# Altium PCB PLC1.PcbDoc (part 3 of 4)
Units mm, origin at the board's own origin, x right, y up, seen from the top; angles counter-clockwise.
Board outline 175 x 81 mm, 2 copper layers (Top Layer, Bottom Layer), stack 1.471 mm thick; 347 components, 299 nets, 1265 pads, 687 vias.
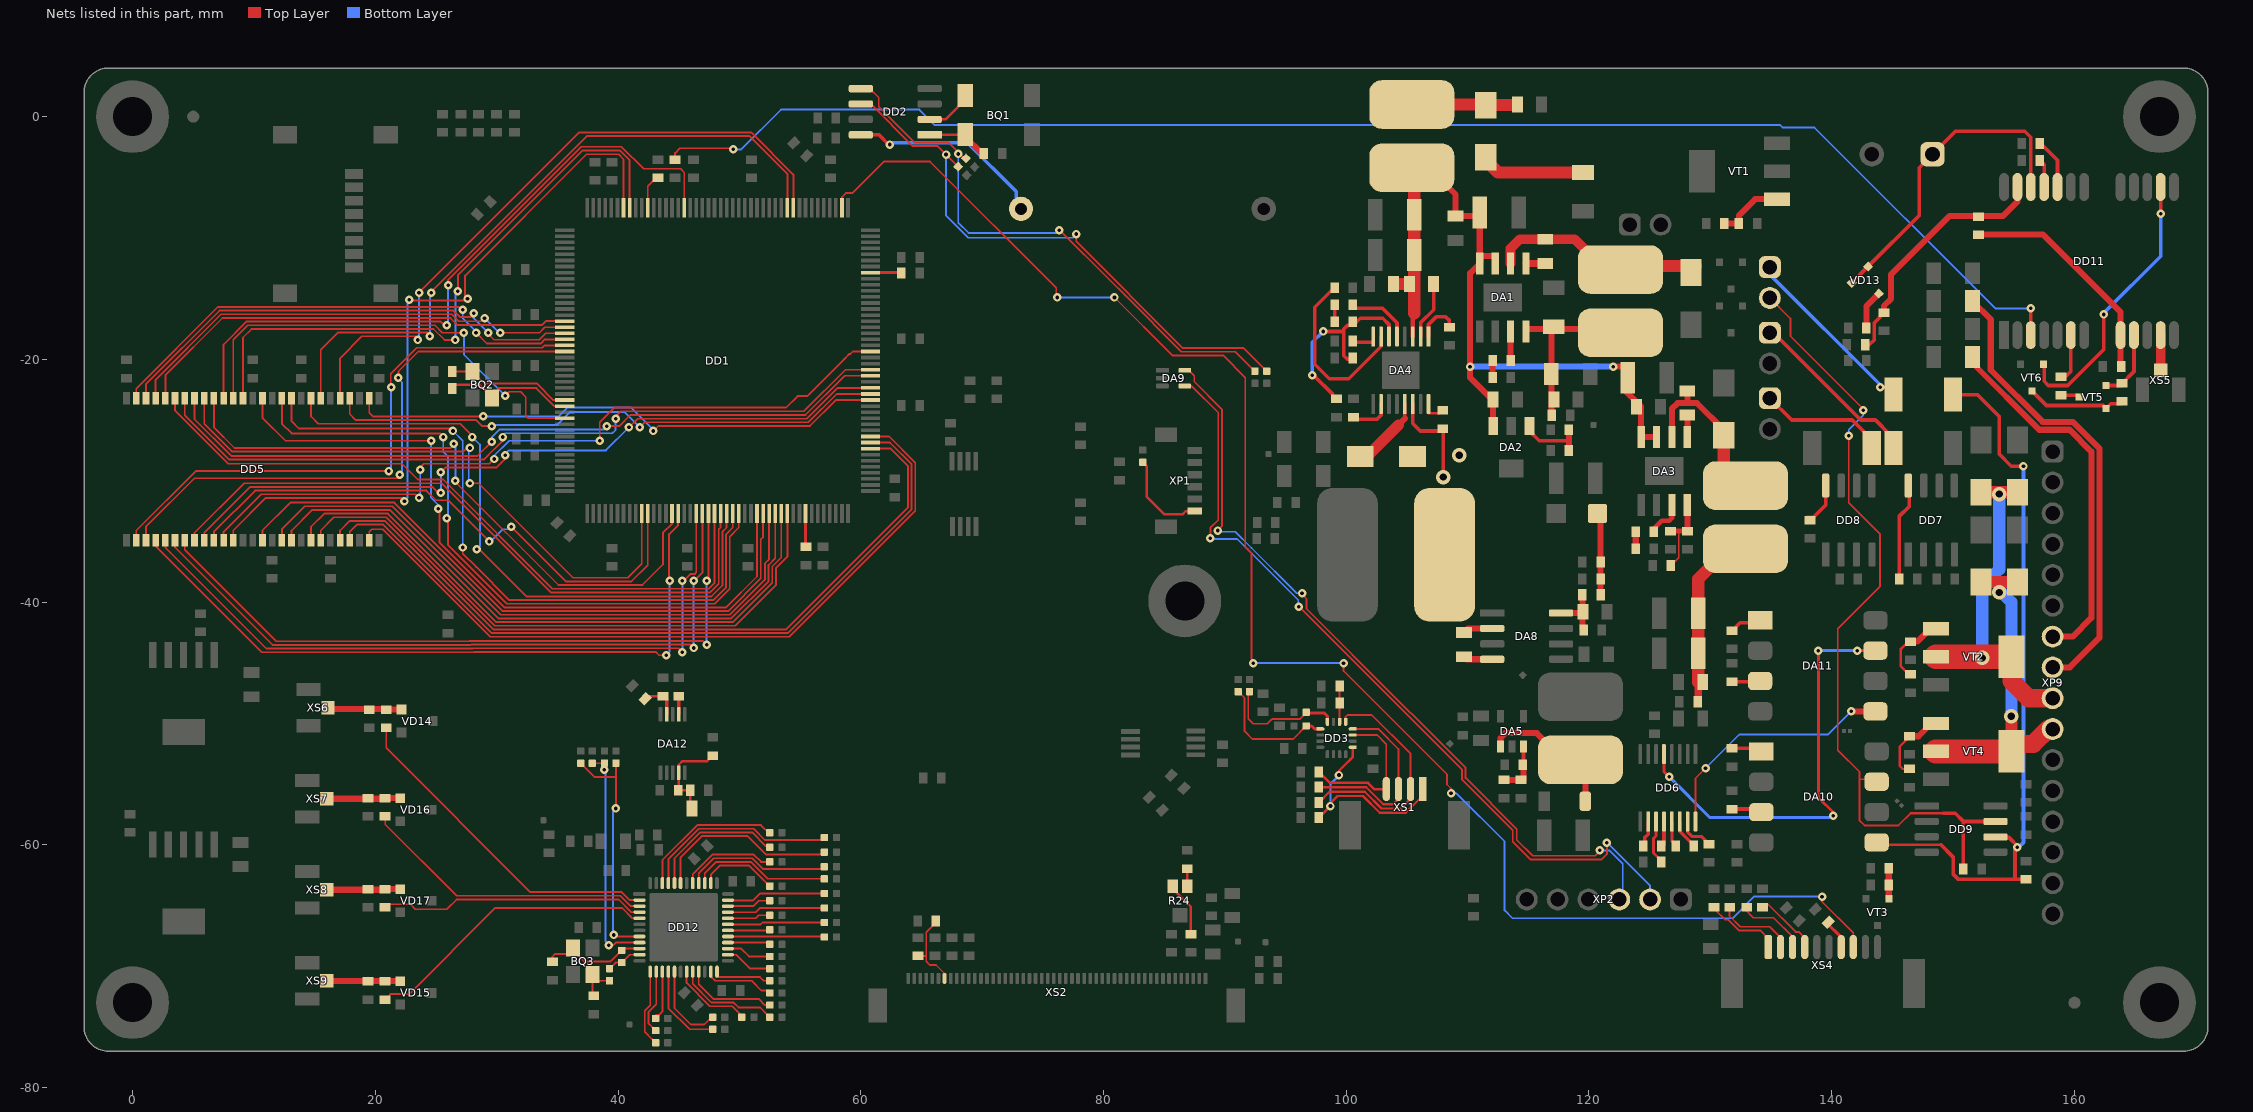
[diagram p3: the nets of this part, all layers, seen from the top]

## Via types
v1: diameter 0.7, hole 0.3, Top Layer to Bottom Layer, tented both sides, 670 vias
v2: diameter 1.2, hole 0.6, Top Layer to Bottom Layer, tented both sides, 16 vias
v3: diameter 0.7, hole 0.3, Top Layer to Bottom Layer, tented top, 1 vias

## Nets (pads, with @x,y where several pads share a name; then routed paths per layer and width w, separated by ;. In a path a pad name is that pad's centre, name@x,y a point inside that pad or via, vN(x,y) a via of type N, cw(c..) or ccw(c..) an arc to the next point about the centre after c; other vN are vias at no path point) (continued)
LEDK: DD1.134 XS4.8 | length 133.3
  Top Layer w0.15: DD1.134@58.45,-7.5 58.45,-6.625 58.775,-6.3 59.295,-6.3 61.892,-3.702 65.702,-3.702 76.1,-14.1 76.1,-14.9 v1(76.2,-14.9) ; v1@80.863,-14.863 85.673,-19.673 89.848,-19.673 91.68,-21.505 91.68,-35.455 92.202,-35.977 92.202,-43.214 92.2,-43.217 92.2,-44.925 v1(92.325,-45.05) ; v1(99.775,-45.025) 99.775,-45.664 108.302,-54.191 108.302,-55.027 108.63,-55.355 v1(108.63,-55.753) ; v1(139.2,-64.275) 139.2,-64.675 141.775,-67.25 XS4.8@141.775,-68.425
  Bottom Layer w0.15: v1(76.2,-14.9) 80.65,-14.9 80.675,-14.875 80.7,-14.9 v1(80.9,-14.9) ; v1(92.325,-45.05) 92.4,-44.975 92.45,-45.025 v1(99.775,-45.025) ; v1(108.63,-55.753) 109.078,-55.753 113.05,-59.725 113.05,-65.4 113.695,-66.045 131.838,-66.045 133.633,-64.25 v1@139.445,-64.25
MEM_A0: DD1.16 DD5.23 | length 37.1
  Top Layer w0.15: DD5.23@2.7,-23.2 2.7,-21.3 7.412,-16.588 26.188,-16.588 26.777,-17.177 33.723,-17.177 34.05,-16.85 DD1.16@35.6,-16.85
MEM_A1: DD1.17 DD5.24 | length 39
  Top Layer w0.15: DD5.24@1.9,-23.2 1.9,-21.672 7.287,-16.286 26.313,-16.286 26.88,-16.852 28.748,-16.852 v1(29,-16.6) ; v1(30.3,-17.8) 30.4,-17.8 30.493,-17.893 30.507,-17.893 30.6,-17.8 33.528,-17.8 33.978,-17.35 DD1.17@35.6,-17.35
  Bottom Layer w0.15: v1(29,-16.6) 30.3,-17.9 30.5,-17.9 30.4,-17.8 v1(30.3,-17.8)
MEM_A2: DD1.18 DD5.25 | length 40.4
  Top Layer w0.15: DD5.25@1.1,-23.2 1.1,-22.045 7.161,-15.983 26.439,-15.983 26.955,-16.5 27.9,-16.5 28.1,-16.3 v1(28.1,-16.2) ; v1(29.3,-17.8) 29.4,-17.9 29.3,-17.9 29.777,-18.377 33.523,-18.377 34.05,-17.85 DD1.18@35.6,-17.85
  Bottom Layer w0.15: v1(28.1,-16.2) 28.1,-16.3 27.9,-16.3 27.9,-16.4 v1(29.3,-17.8)
MEM_A3: DD1.19 DD5.26 | length 41
  Top Layer w0.15: DD5.26@0.3,-23.2 0.3,-22.417 7.036,-15.681 26.881,-15.681 27.2,-16 v1(27.2,-15.9) ; v1(28.3,-17.8) 29.2,-18.7 33.628,-18.7 33.978,-18.35 DD1.19@35.6,-18.35
  Bottom Layer w0.15: v1(27.2,-15.9) 27.2,-16.6 28.4,-17.8 v1(28.3,-17.8)
MEM_A4: DD1.20 DD5.29 | length 47.1
  Top Layer w0.15: DD5.29@0.3,-34.9 0.3,-34.1 5.2,-29.2 v1(21.1,-29.2) ; v1(21.3,-22.3) 21.272,-22.272 21.272,-21.2 23.427,-19.045 33.755,-19.045 33.95,-18.85 DD1.20@35.6,-18.85
  Bottom Layer w0.15: v1(21.1,-29.2) 21.3,-29.2 v1(21.3,-22.3)
MEM_A5: DD1.21 DD5.30 | length 47.5
  Top Layer w0.15: DD5.30@1.1,-34.9 1.1,-33.8 5.1,-29.8 21.9,-29.8 22.2,-29.5 v1(22,-29.5) ; v1@21.9,-21.6 21.9,-21 23.55,-19.35 DD1.21@35.6,-19.35
  Bottom Layer w0.15: v1(21.9,-21.5) 21.9,-21.6 22.2,-21.9 22.2,-29.5 v1(22,-29.5)
MEM_A6: DD1.60 DD5.31 | length 58.4
  Top Layer w0.15: DD5.31@1.9,-34.9 1.9,-35.4 10.635,-44.135 28.115,-44.135 28.15,-44.1 43.1,-44.1 43.375,-44.375 v1(43.975,-44.375) ; v1(44.25,-38.25) 44.202,-38.202 44.202,-34.398 44.95,-33.65 DD1.60@44.95,-32.7
  Bottom Layer w0.15: v1(43.975,-44.375) 44.25,-44.1 v1(44.25,-38.25)
MEM_A7: DD1.63 DD5.32 | length 59
  Top Layer w0.15: DD5.32@2.7,-34.9 2.7,-35.5 11.032,-43.832 27.99,-43.832 28.024,-43.798 44.998,-43.798 v1@45.313,-44.113 ; v1(45.3,-38.25) 45.408,-38.25 45.986,-37.673 46.327,-37.673 46.45,-37.55 DD1.63@46.45,-32.7
  Bottom Layer w0.15: v1(45.3,-44.125) v1(45.3,-38.25)
MEM_A8: DD1.64 DD5.33 | length 58.2
  Top Layer w0.15: DD5.33@3.5,-34.9 3.5,-35.5 11.53,-43.53 27.864,-43.53 27.899,-43.495 45.97,-43.495 v1(46.25,-43.775) ; v1@46.25,-38.275 46.95,-37.575 DD1.64@46.95,-32.7
  Bottom Layer w0.15: v1@46.225,-43.775 v1(46.225,-38.25)
MEM_A9: DD1.65 DD5.34 | length 57.8
  Top Layer w0.15: DD5.34@4.3,-34.9 4.3,-35.7 11.827,-43.227 27.739,-43.227 27.774,-43.193 46.993,-43.193 v1(47.3,-43.5) v1@47.325,-43.475 ; v1@47.45,-38.2 DD1.65@47.45,-32.7
  Bottom Layer w0.15: v1(47.3,-43.5) v1(47.3,-38.25)
MEM_A10: DD1.66 DD5.22 | length 57.5
  Top Layer w0.15: DD5.22@3.5,-23.2 3.5,-24.228 7.682,-28.41 7.872,-28.6 22.2,-28.6 23.5,-29.9 25.6,-29.9 34.594,-38.894 47.476,-38.894 47.952,-38.417 47.952,-32.702 DD1.66@47.95,-32.7
MEM_A11: DD1.67 DD5.35 | length 55.4
  Top Layer w0.15: DD5.35@5.1,-34.9 5.1,-34.3 9.2,-30.2 9.3,-30.2 9.302,-30.202 25.475,-30.202 34.469,-39.196 47.601,-39.196 48.293,-38.505 48.293,-34.007 48.45,-33.85 DD1.67@48.45,-32.7
MEM_A12: DD1.106 DD5.36 | length 62.7
  Top Layer w0.15: DD5.36@5.9,-34.9 5.9,-34.3 9.695,-30.505 24.705,-30.505 25.1,-30.9 25.5,-30.9 v1(25.4,-31) ; v1(25.4,-29.3) 25.8,-28.9 30,-28.9 30.7,-28.2 30.7,-27.8 v1@30.85,-27.65 ; v1(40.9,-25.6) 41.615,-24.885 55.56,-24.885 58.095,-22.35 DD1.106@60.8,-22.35
  Bottom Layer w0.15: v1(25.4,-31) 25.5,-30.9 25.4,-30.8 v1(25.4,-29.3) ; v1(30.7,-27.9) 30.731,-27.869 30.731,-27.831 30.7,-27.8 31,-27.5 39,-27.5 v1(40.9,-25.6)
MEM_BA0: DD1.108 DD5.20 | length 62.4
  Top Layer w0.15: DD5.20@5.1,-23.2 5.1,-24.2 5.1,-24.928 8.125,-27.953 28.42,-27.953 v1@29.681,-26.691 ; v1(39.075,-25.5) 39.3,-25.5 39.277,-25.477 40.123,-25.477 41.018,-24.582 55.435,-24.582 58.667,-21.35 DD1.108@60.8,-21.35
  Bottom Layer w0.15: v1(29.6,-26.8) 29.6,-26.4 30.219,-25.781 38.819,-25.781 39.2,-25.4 39.3,-25.5 v1(39.075,-25.5)
MEM_BA1: DD1.109 DD5.21 | length 63.9
  Top Layer w0.15: DD5.21@4.3,-23.2 4.3,-24.6 4.753,-25.053 7.955,-28.255 28.945,-28.255 29.823,-27.377 29.839,-27.377 30.5,-26.717 v1(30.5,-26.4) ; v1(39.825,-24.9) 39.875,-24.9 40.025,-24.75 40,-24.725 40,-24.7 39.9,-24.6 40.22,-24.28 55.31,-24.28 58.739,-20.85 DD1.109@60.8,-20.85
  Bottom Layer w0.15: v1(30.5,-26.4) 30.4,-26.4 30.716,-26.084 39.533,-26.084 39.8,-25.817 39.8,-24.8 v1@39.9,-24.7
MEM_D0: DD1.104 DD5.2 | length 44.8
  Top Layer w0.15: DD5.2@19.5,-23.2 19.5,-24.4 19.798,-24.698 v1(28.902,-24.698) ; v1(42.9,-25.9) 43.311,-25.489 55.811,-25.489 57.95,-23.35 DD1.104@60.8,-23.35
  Bottom Layer w0.15: v1@28.9,-24.7 35.1,-24.7 35.825,-23.975 41.075,-23.975 42.9,-25.8 v1(42.9,-25.9)
MEM_D1: DD1.105 DD5.4 | length 47
  Top Layer w0.15: DD5.4@17.9,-23.2 17.9,-24.5 18.4,-25 28.3,-25 28.8,-25.5 v1(29.6,-25.5) ; v1(41.8,-25.6) 42.213,-25.187 55.685,-25.187 58.022,-22.85 DD1.105@60.8,-22.85
  Bottom Layer w0.15: v1(29.6,-25.5) 29.5,-25.4 35,-25.4 36.077,-24.323 40.523,-24.323 v1(41.8,-25.6)
MEM_D2: DD1.142 DD5.5 | length 55
  Top Layer w0.15: DD5.5@17.1,-23.2 17.1,-19.9 18.9,-18.1 23.3,-18.1 23.6,-18.4 v1(23.5,-18.4) ; v1@23.7,-14.4 36.798,-1.302 50.974,-1.302 54.45,-4.778 DD1.142@54.45,-7.5
  Bottom Layer w0.15: v1@23.6,-18.4 v1(23.6,-14.5)
MEM_D3: DD1.143 DD5.7 | length 55.7
  Top Layer w0.15: DD5.7@15.5,-23.2 15.5,-19.2 16.902,-17.798 24.298,-17.798 v1@24.5,-18 ; v1@24.6,-14.428 37.423,-1.605 50.849,-1.605 53.952,-4.708 53.952,-7.498 DD1.143@53.95,-7.5
  Bottom Layer w0.15: v1(24.5,-18.1) 24.5,-14.9 24.55,-14.85
  other v1: 24.6,-14.5
MEM_D4: DD1.68 DD5.8 | length 53.7
  Top Layer w0.15: DD5.8@14.7,-23.2 14.7,-24.7 15.302,-25.302 27.002,-25.302 28,-26.3 v1@28,-26.5 ; v1@28.3,-35.6 28.517,-35.6 32.444,-39.527 47.698,-39.527 48.595,-38.63 48.595,-34.205 48.948,-33.852 DD1.68@48.95,-32.7
  Bottom Layer w0.15: v1(28,-26.4) 28.625,-27.025 28.625,-35.375 v1(28.352,-35.648) v1@28.3,-35.7
MEM_D5: DD1.69 DD5.10 | length 55.6
  Top Layer w0.15: DD5.10@13.1,-23.2 13.1,-25.1 13.698,-25.698 26.198,-25.698 v1(26.4,-25.9) ; v1(27.2,-35.5) 27.2,-36 28.3,-37.1 31.03,-39.83 47.842,-39.83 48.898,-38.775 48.898,-34.402 49.45,-33.85 DD1.69@49.45,-32.7
  Bottom Layer w0.15: v1(26.4,-25.9) 27.2,-26.7 v1@27.2,-35.15
MEM_D6: DD1.70 DD5.11 | length 57.3
  Top Layer w0.15: DD5.11@12.3,-23.2 12.3,-25.3 13.1,-26.1 25.399,-26.1 ; v1@26,-33.1 26,-35.3 30.832,-40.132 47.968,-40.132 49.2,-38.9 49.2,-34.6 49.95,-33.85 DD1.70@49.95,-32.7
  Bottom Layer w0.15: v1@25.6,-26.5 v1@25.7,-26.4 ; v1(25.6,-26.4) 25.6,-27.6 26,-28 v1@26,-33.4
  other v1: 25.9,-33.1
MEM_D7: DD1.73 DD5.13 | length 59.5
  Top Layer w0.15: DD5.13@10.7,-23.2 10.7,-24.8 12.6,-26.7 v1(24.6,-26.7) ; v1@25.3,-32.3 25.3,-35.1 30.635,-40.435 48.904,-40.435 51.45,-37.888 DD1.73@51.45,-32.7
  Bottom Layer w0.15: v1@24.822,-26.778 24.6,-27 24.6,-31.4 25.2,-32 v1@25.2,-32.1 ; v1@25.1,-32.4 v1(25.2,-32.3)
MEM_D8: DD1.74 DD5.42 | length 53.1
  Top Layer w0.15: DD5.42@10.7,-34.9 10.7,-34.1 13,-31.8 21.572,-31.8 30.509,-40.737 49.063,-40.737 51.752,-38.048 51.752,-34.837 51.95,-34.639 DD1.74@51.95,-32.7
MEM_D9: DD1.75 DD5.44 | length 52
  Top Layer w0.15: DD5.44@12.3,-34.9 12.3,-34 14.198,-32.102 21.402,-32.102 30.339,-41.039 49.205,-41.039 52.1,-38.145 52.1,-36.817 52.45,-36.467 DD1.75@52.45,-32.7
MEM_D10: DD1.76 DD5.45 | length 51.6
  Top Layer w0.15: DD5.45@13.1,-34.9 13.1,-34.1 14.795,-32.405 21.205,-32.405 30.142,-41.342 49.33,-41.342 52.402,-38.27 52.402,-36.942 52.95,-36.395 DD1.76@52.95,-32.7
MEM_D11: DD1.77 DD5.47 | length 50.6
  Top Layer w0.15: DD5.47@14.7,-34.9 14.7,-33.8 15.793,-32.707 21.034,-32.707 29.971,-41.644 49.456,-41.644 52.705,-38.395 52.705,-37.068 53.45,-36.322 DD1.77@53.45,-32.7
MEM_D12: DD1.78 DD5.48 | length 50.1
  Top Layer w0.15: DD5.48@15.5,-34.9 15.5,-34.1 16.59,-33.01 20.909,-33.01 29.846,-41.947 49.653,-41.947 53.007,-38.593 53.007,-37.193 53.95,-36.25 DD1.78@53.95,-32.7
MEM_D13: DD1.96 DD5.50 | length 62.8
  Top Layer w0.15: DD5.50@17.1,-34.9 17.1,-34.1 17.888,-33.312 20.784,-33.312 29.721,-42.249 53.851,-42.249 63.884,-32.216 63.884,-28.767 62.467,-27.35 DD1.96@60.923,-27.35
MEM_D14: DD1.97 DD5.51 | length 63
  Top Layer w0.15: DD5.51@17.9,-34.9 17.9,-34.2 18.486,-33.614 20.659,-33.614 29.596,-42.551 53.977,-42.551 64.186,-32.343 64.186,-28.642 62.395,-26.85 DD1.97@60.8,-26.85
MEM_D15: DD1.98 DD5.53 | length 62.3
  Top Layer w0.15: DD5.53@19.5,-34.9 19.5,-34.2 19.7,-34 20.617,-34 29.47,-42.854 54.103,-42.854 64.489,-32.468 64.489,-28.516 62.322,-26.35 DD1.98@60.8,-26.35
MEM_NBL0: DD1.169 DD5.15 | length 51.4
  Top Layer w0.15: DD5.15@9.1,-23.2 9.1,-18.2 9.805,-17.495 24.795,-17.495 25.7,-18.4 v1(26.6,-18.4) ; v1(26.8,-14.4) 26.8,-13.083 37.106,-2.777 40.15,-2.777 40.95,-3.578 DD1.169@40.95,-7.5
  Bottom Layer w0.15: v1@26.6,-18.6 26.6,-14.6 v1(26.8,-14.4)
MEM_NBL1: DD1.170 DD5.39 | length 61
  Top Layer w0.15: DD5.39@8.3,-34.9 8.3,-34.1 10.988,-31.412 v1@22.212,-31.412 ; v1(22.8,-15.1) 22.652,-15.152 27.348,-15.152 27.4,-15.1 27.6,-15.1 27.4,-14.9 27.4,-13.1 37.4,-3.1 40.045,-3.1 40.45,-3.505 DD1.170@40.45,-7.5
  Bottom Layer w0.15: v1@22.5,-31.6 22.652,-31.448 22.652,-15.248 v1(22.8,-15.1)
  other v1: 22.4,-31.7 27.6,-15
MEM_SDCKE0: DD1.55 DD5.37 | length 46.9
  Top Layer w0.15: DD5.37@6.7,-34.9 6.7,-34.2 10.093,-30.807 24.207,-30.807 25,-31.6 26,-31.6 v1(29.4,-35) ; v1@31.35,-33.65 31.35,-33.95 35.689,-38.289 41.111,-38.289 42.45,-36.95 DD1.55@42.45,-32.7
  Bottom Layer w0.15: v1(29.4,-35) 29.5,-35 30.5,-34 31.1,-34 v1@31.3,-33.8
  other v1: 31.2,-33.8
MEM_SDCLK: DD1.112 DD5.38 | length 63
  Top Layer w0.15: DD5.38@7.5,-34.9 7.5,-34.2 10.59,-31.11 23.31,-31.11 v1(23.6,-31.4) ; v1(23.7,-29.1) 23.7,-28.9 24.002,-28.598 29.402,-28.598 29.8,-28.2 v1(29.808,-28.208) ; v1@38.5,-26.8 v1(38.5,-26.7) 38.498,-26.698 38.498,-25.177 39.698,-23.977 53.839,-23.977 54.794,-23.023 55.577,-23.023 58.623,-19.977 58.639,-19.977 58.977,-19.639 58.977,-19.623 59.052,-19.548 59.152,-19.548 59.35,-19.35 DD1.112@60.8,-19.35
  Bottom Layer w0.15: v1(23.6,-31.4) 23.7,-31.3 v1(23.7,-29.1) ; v1(29.808,-28.208) 29.8,-28.2 29.8,-27.919 31.019,-26.7 v1(38.5,-26.7)
MEM_SDNCAS: DD1.160 DD5.17 | length 55.6
  Top Layer w0.15: DD5.17@7.5,-23.2 7.5,-18.772 9.382,-16.89 25.39,-16.89 25.7,-17.2 v1(25.9,-17.2) ; v1(26,-13.9) 26,-13.455 36.98,-2.475 40.275,-2.475 42.1,-4.3 45.15,-4.3 45.45,-4.6 DD1.160@45.45,-7.5
  Bottom Layer w0.15: v1(25.9,-17.2) v1@26,-17.2 ; v1@26,-17.4 v1(26,-13.9)
MEM_SDNE0: DD1.54 DD5.19 | length 50.5
  Top Layer w0.15: DD5.19@5.9,-23.2 5.9,-25.3 8.202,-27.602 27.198,-27.602 27.6,-27.3 27.7,-27.3 27.76,-27.36 27.76,-27.34 v1(27.8,-27.3) ; DD1.54@41.95,-32.7 41.95,-36.85 40.813,-37.987 36.287,-37.987 28.5,-30.2 v1(27.8,-30.2) ; v1(27.8,-30.2) 27.9,-30.2 v1@27.8,-30.2
  Bottom Layer w0.15: v1(27.8,-27.3) 27.7,-27.4 27.7,-30.1 v1@27.8,-30.2 ; v1(27.8,-30.2) 27.9,-30.2 v1@27.8,-30.2
MEM_SDNRAS: DD1.59 DD5.18 | length 52.7
  Top Layer w0.15: DD5.18@6.7,-23.2 6.7,-25.6 8.4,-27.3 26.2,-27.3 26.5,-27 26.6,-27 26.5,-26.9 26.4,-26.9 v1(26.45,-26.95) ; v1@26.65,-29.95 26.65,-30.15 35.091,-38.591 42.009,-38.591 43.7,-36.9 43.7,-34.3 44.45,-33.55 DD1.59@44.45,-32.7
  Bottom Layer w0.15: v1(26.45,-26.95) 26.4,-26.9 26.5,-26.9 26.6,-27 v1@26.6,-29.95
  other v1: 26.6,-30
MEM_SDNWE: DD1.32 DD5.16 | length 38
  Top Layer w0.15: DD5.16@8.3,-23.2 8.3,-18.4 9.507,-17.193 24.92,-17.193 25.528,-17.8 v1(27.3,-17.8) ; v1(30.7,-23) 31.027,-22.673 31.97,-22.673 32.4,-23.102 32.4,-24.65 32.6,-24.85 DD1.32@35.6,-24.85
  Bottom Layer w0.15: v1(27.3,-17.8) 27.3,-19.6 v1(30.7,-23)
NetBQ1_1: BQ1.1 C70.2 DD2.1 | length 4.9
  Top Layer w0.2: DD2.1@65.675,-1.5 BQ1.1@68.4,-1.5
  Top Layer w0.5: BQ1.1@68.625,-1.45 68.625,-1.675 C70.2@70,-3.05
NetBQ1_2: BQ1.2 DD2.2 | length 2.8
  Top Layer w0.2: DD2.2@65.675,-0.23 66.97,-0.23 68.05,0.85 BQ1.2@68.05,0.875
NetBQ2_1: BQ2.1 C88.2 DD1.30 | length 10.2
  Top Layer w0.15: BQ2.1@29.6,-23.2 30.1,-22.7 30.1,-22.37 33.27,-22.37 34.75,-23.85 DD1.30@35.6,-23.85
  Top Layer w0.2: C88.2@26.5,-22.1 28.6,-22.1 BQ2.1@29.15,-22.65
  Top Layer w0.3: C88.2@26.35,-22.5 C88.2@26.5,-22.5
NetBQ2_2: BQ2.2 C87.2 DD1.29 | length 10.3
  Top Layer w0.15: BQ2.2@28,-21 28.998,-21.998 33.325,-21.998 34.678,-23.35 DD1.29@35.6,-23.35
  Top Layer w0.2: C87.2@26.3,-21 BQ2.2@28,-21
NetBQ3_1: BQ3.1 C128.2 DD12.10 R120.1 | length 8.7
  Top Layer w0.15: C128.2@34.6,-69.65 34.6,-69.2 34.8,-69 35.8,-69 BQ3.1@36.3,-68.5 36.3,-68.7 37.2,-69.6 39.4,-69.6 R120.1@40.3,-68.7 ; R120.1@40.45,-68.55 DD12.10@41.775,-68.55
NetBQ3_2: BQ3.2 C127.2 R119.1 | length 3.4
  Top Layer w0.15: C127.2@38,-72.45 37.9,-72.35 BQ3.2@37.9,-70.7 38.4,-71.2 R119.1@39.3,-71.2
NetC1_2: C1.2 L1.2 VD1.2 | length 8.7
  Top Layer w0.3: VD1.2@111.45,1 VD1.2@111.5,0.95
  Top Layer w1: L1.2@105.4,1 VD1.2@111.45,1 ; VD1.2@111.5,0.95 C1.2@114.05,0.95
NetC2_2: C2.2 C3.2 C4.2 C5.2 C13.2 C14.2 C15.1 C16.2 C25.2 DA1.7 DA1.8 DA2.3 DA3.7 DA3.8 DA4.3 L1.1 | length 64.2
  Top Layer w0.3: C25.2@105.2,-13.8 C25.2@105.475,-14.075
  Top Layer w0.4: DA4.3@105.475,-18.125 105.475,-16.325
  Top Layer w0.5: L1.1@105.4,-4.6 L1.1@105.6,-4.8 ; L1.1@107,-4.4 109,-6.4 C13.2@109,-8.2 C3.2@110.9,-8.2 ; DA1.8@110.995,-12.1 110.2,-12.895 110.2,-21.5 112,-23.3 C16.2@112.1,-23.3 DA2.3@112.1,-25.5 ; C3.2@111,-7.9 111,-12.095 111.095,-11.5 DA1.7@112.3,-11.5 ; C4.2@123.2,-21.5 C4.2@123.1,-21.4 ; C14.2@124.295,-24.305 DA3.8@124.295,-26.4 DA3.7@125.565,-26.4 ; C14.2@124.3,-24.3 124.3,-23.9 123.1,-22.7 C4.2@123.1,-21.4 ; v1(122,-20.6) 121.9,-20.6 v1(122,-20.6) ; v1(122,-20.6) 122.9,-20.6 123,-20.5 123,-21.3 C4.2@123.1,-21.4
  Top Layer w1: C15.1@104.1,-13.8 C25.2@105,-13.8 ; 105.6,-16.2 C5.2@105.6,-11.4 C2.2@105.6,-8.1 L1.1@105.6,-4.8 ; L1.1@105.6,-4.4 L1.1@107,-4.4
  Bottom Layer w0.5: v1(110.2,-20.6) v1(122,-20.6)
NetC24_1: C24.1 DA4.6 R10.1 R11.2 | length 17.3
  Top Layer w0.3: v1(97.2,-21.3) 97.3,-21.3 98.9,-22.9 R10.1@98.9,-23.35 ; v1(98.1,-17.7) 99.8,-17.7 ; R11.2@100.55,-20 100.1,-20 99.8,-19.7 99.8,-17.7 ; DA4.6@103.525,-18.125 103.525,-17.125 103,-16.6 101.15,-16.6 100.55,-17.2 100.1,-17.2 99.8,-17.5 99.8,-17.7
  Bottom Layer w0.3: v1(97.2,-21.3) 97.3,-21.3 97.2,-21.4 97.2,-18.6 v1(98.1,-17.7) v1@98.1,-17.6
NetC24_2: C24.2 R1.1 | length 1.4
  Top Layer w0.3: C24.2@99.05,-17.2 R1.1@99.05,-15.8
NetC25_1: C25.1 DA4.2 | length 4.8
  Top Layer w0.3: DA4.2@106.125,-18.125 106.125,-16.975 107.2,-15.9 C25.1@107.2,-13.8
NetC26_1: C26.1 DA4.8 | length 1.7
  Top Layer w0.3: C26.1@100.55,-18.6 DA4.8@102.2,-18.6
NetC27_2: C27.2 DA4.10 | length 3.1
  Top Layer w0.3: C27.2@100.852,-24.948 102.513,-24.948 102.875,-24.585 DA4.10@102.875,-23.675
NetC28_1: C28.1 DA1.6 L2.2 VD2.2 | length 17.8
  Top Layer w0.8: DA1.6@113.535,-12.1 113.535,-10.865 114.3,-10.1 C28.1@116.4,-10.1 118.8,-10.1 121.3,-12.6 L2.2@122.6,-12.6
  Top Layer w1: L2.2@122.65,-12.3 VD2.2@128.8,-12.3
NetC28_2: C28.2 DA1.5 | length 1.6
  Top Layer w0.6: DA1.5@114.805,-12.1 C28.2@116.4,-12.1
NetC29_1: C29.1 DA3.6 L3.2 VD3.2 | length 11.6
  Top Layer w0.5: DA3.6@126.835,-26.4 126.835,-24.065 127.3,-23.6 128.9,-23.6 131.1,-25.8 VD3.2@131.1,-26.25 VD3.2@131.15,-26.2 ; 128.1,-23.6 C29.1@128.1,-22.6
  Top Layer w1: L3.2@131.1,-28.6 VD3.2@131.1,-26.25
NetC29_2: C29.2 DA3.5 | length 1.8
  Top Layer w0.5: C29.2@128.1,-24.6 128.1,-26.395 DA3.5@128.105,-26.4
NetC30_2: C30.2 R5.1 | length 1.4
  Top Layer w0.5: C30.2@123.85,-35.6 R5.1@123.85,-34.2
NetC31_2: C31.2 R6.1 | length 1.4
  Top Layer w0.5: C31.2@112.05,-21.5 R6.1@112.05,-20.1
NetC33_1: C33.1 DA3.4 R7.2 R8.1 | length 7.3
  Top Layer w0.15: R8.1@126.7,-34.15 127.35,-34.15 127.4,-34.2 127.4,-36.35 C33.1@126.75,-37
  Top Layer w0.4: R8.1@126.7,-34.15 R7.2@128.1,-34.15
  Top Layer w0.5: R7.2@128.1,-34.15 128.105,-34.145 DA3.4@128.105,-32
NetC35_2: C35.2 C39.2 C41.2 DA1.4 L2.1 L5.2 | length 12.3
  Top Layer w0.5: DA1.4@114.8,-17.5 L2.1@120.2,-17.5 ; L5.2@116.9,-24.2 116.9,-22.4 C35.2@116.9,-17.3
NetC36_2: C36.2 C40.2 C42.2 L3.1 L6.2 | length 15.2
  Top Layer w0.6: L6.2@129,-48.05 C42.2@129,-46.6
  Top Layer w1: C42.2@129,-46.6 129,-40.7 129,-38.1 132.2,-34.9 L3.1@132.9,-34.9
NetC37_1: C37.1 DA4.16 | length 2.1